# KiCad board IO-SDR_Rev_1.0.kicad_pcb (continued)
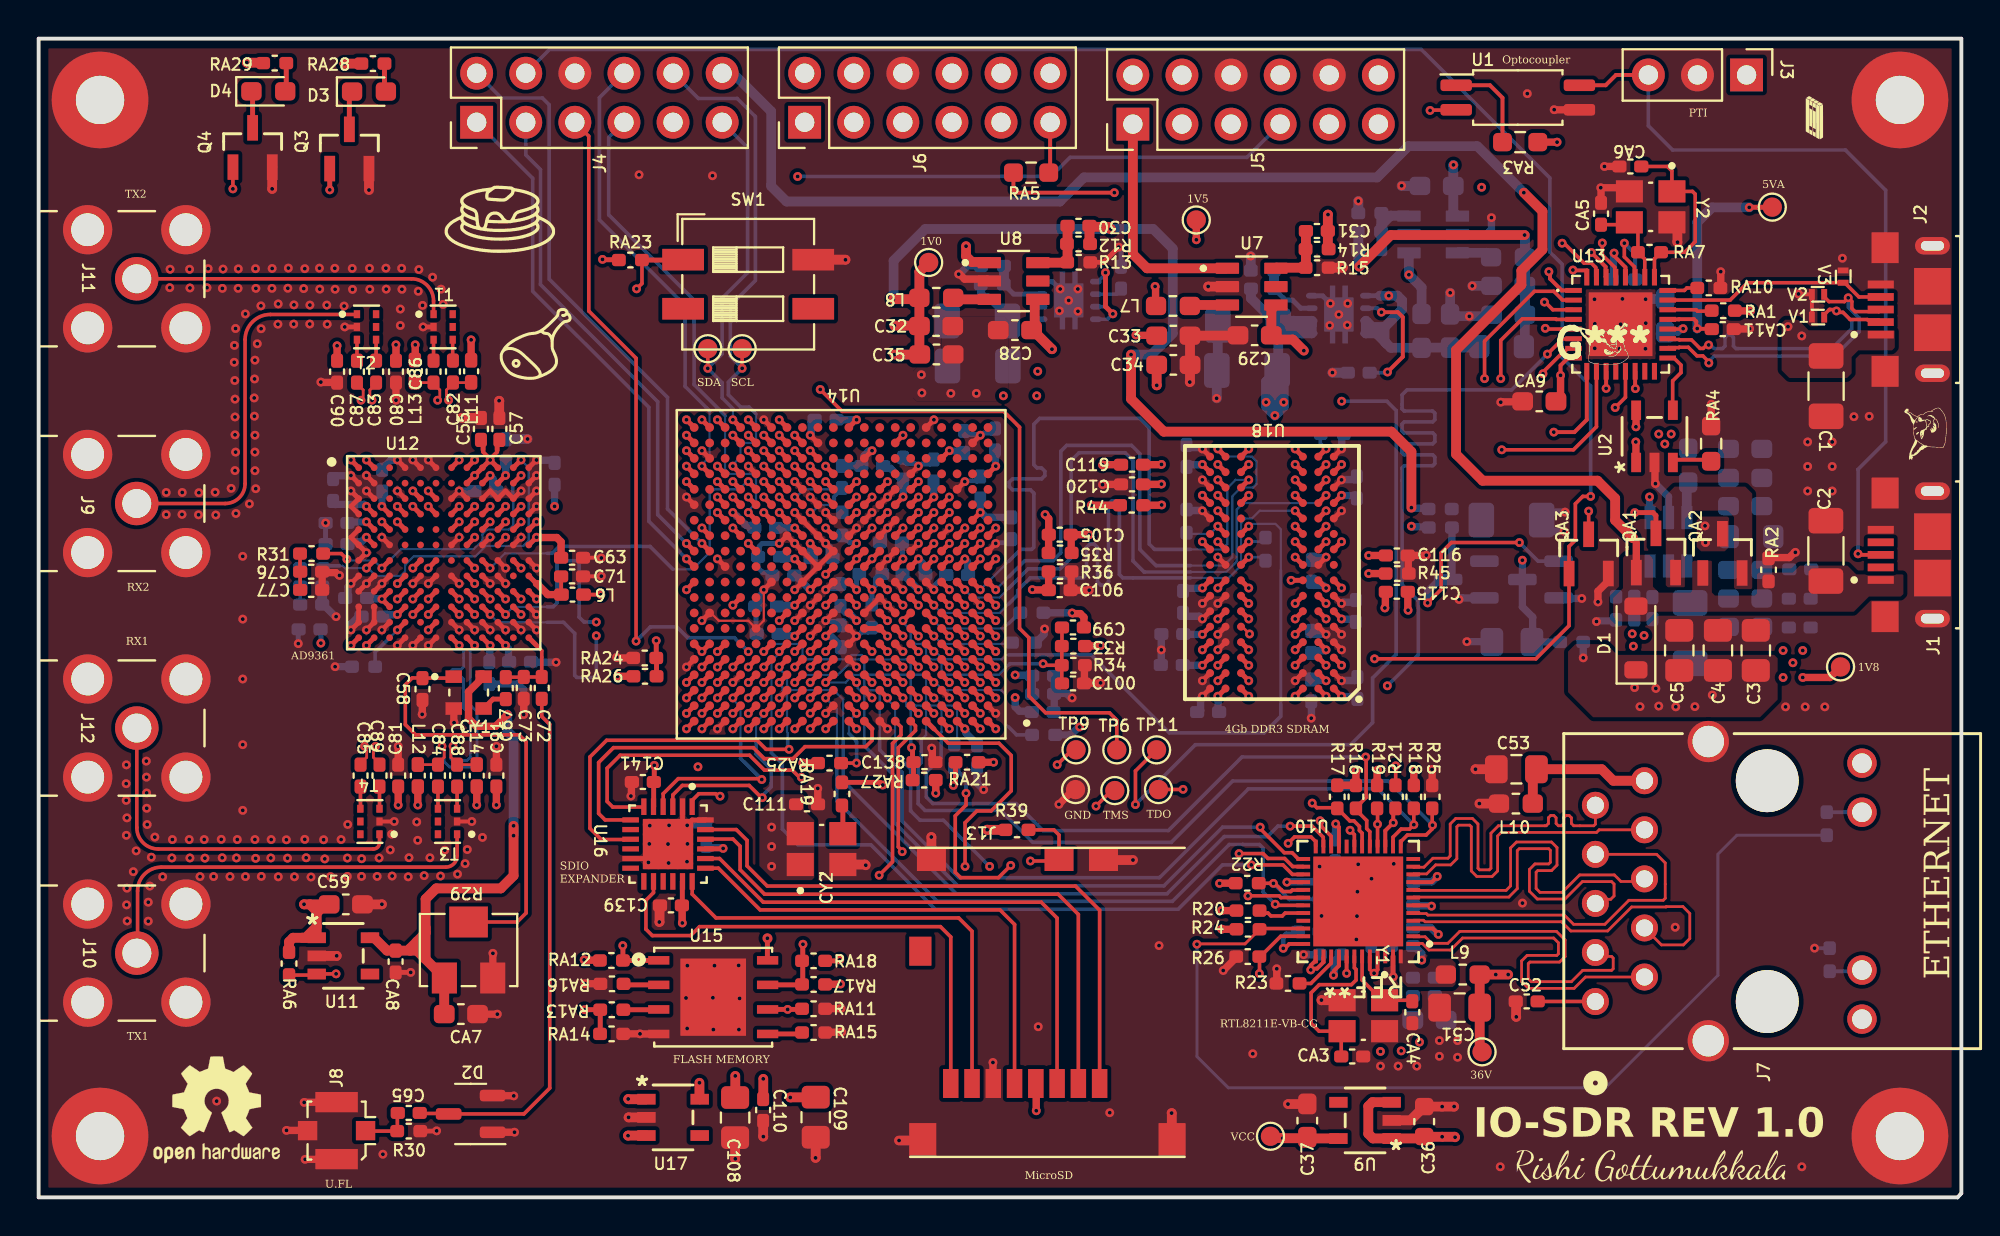
[diagram p0: board, top side]
## Placement (name value [footprint] x y rotation side) (continued)
RA8  14.3K  [R_0402_1005Metric_Pad0.72x0.64mm_HandSolder]  16.81 27.47 180 bottom
RA9  20K  [R_0402_1005Metric_Pad0.72x0.64mm_HandSolder]  81.99 47.51 180 bottom
RA10  8.06K  [R_0402_1005Metric_Pad0.72x0.64mm_HandSolder]  86.4 47.07 0 top
RA11  20K  [R_0402_1005Metric_Pad0.72x0.64mm_HandSolder]  40.09 9.76 0 top
RA12  1K  [R_0402_1005Metric_Pad0.72x0.64mm_HandSolder]  29.63 12.26 0 top
RA13  20K  [R_0402_1005Metric_Pad0.72x0.64mm_HandSolder]  29.65 9.71 180 top
RA14  1K  [R_0402_1005Metric_Pad0.72x0.64mm_HandSolder]  29.64 8.46 0 top
RA15  20K  [R_0402_1005Metric_Pad0.72x0.64mm_HandSolder]  40.09 8.53 0 top
RA16  20K  [R_0402_1005Metric_Pad0.72x0.64mm_HandSolder]  29.66 11.05 180 top
RA17  20K  [R_0402_1005Metric_Pad0.72x0.64mm_HandSolder]  40.09 11.02 180 top
RA18  1K  [R_0402_1005Metric_Pad0.72x0.64mm_HandSolder]  40.09 12.24 0 top
RA19  33R  [R_0402_1005Metric_Pad0.72x0.64mm_HandSolder]  41.55 20.88 270 top
RA20  33R  [R_0402_1005Metric_Pad0.72x0.64mm_HandSolder]  47.36 22.85 270 bottom
RA21  20K  [R_0402_1005Metric_Pad0.72x0.64mm_HandSolder]  48.03 22.52 0 top
RA22  20K  [R_0402_1005Metric_Pad0.72x0.64mm_HandSolder]  51.99 23.94 0 bottom
RA23  20K  [R_0402_1005Metric_Pad0.72x0.64mm_HandSolder]  30.61 48.52 0 top
RA24  100K  [R_0402_1005Metric_Pad0.72x0.64mm_HandSolder]  31.35 27.92 0 top
RA25  20K  [R_0402_1005Metric_Pad0.72x0.64mm_HandSolder]  40.91 22.48 180 top
RA26  100K  [R_0402_1005Metric_Pad0.72x0.64mm_HandSolder]  31.36 26.97 0 top
RA27  20K  [R_0402_1005Metric_Pad0.72x0.64mm_HandSolder]  45.81 21.6 180 top
RA28  4.7K  [R_0402_1005Metric_Pad0.72x0.64mm_HandSolder]  17.29 58.69 0 top
RA29  4.7K  [R_0402_1005Metric_Pad0.72x0.64mm_HandSolder]  12.21 58.71 0 top
REF**  -  [OSHW-Logo2_7.3x6mm_SilkScreen]  9.21 4.53 0 top
REF**#2  -  [OSHW-Logo2_7.3x6mm_SilkScreen]  9.21 4.53 180 bottom
REF**#3  -  [KiCad-Logo2_5mm_SilkScreen]  13.81 55.48 180 bottom
SW1  SW_DIP_x02  [SW_DIP_SPSTx02_Slide_6.7x6.64mm_W6.73mm_P2.54mm_LowProfile_JPin]  36.7 47.27 0 top
T1  -  [B0310J50100AHF]  20.92 45.06 0 top
T2  -  [B0310J50100AHF]  16.96 45.06 0 top
T3  -  [B0310J50100AHF]  21.15 19.46 180 top
T4  -  [B0310J50100AHF]  17.14 19.46 180 top
TP1  TestPoint  [TestPoint_Pad_D1.0mm]  89.68 51.26 0 top
TP2  TestPoint  [TestPoint_Pad_D1.0mm]  93.21 27.46 0 top
TP3  TestPoint  [TestPoint_Pad_D1.0mm]  46.04 48.39 0 top
TP4  TestPoint  [TestPoint_Pad_D1.0mm]  59.88 50.59 0 top
TP5  TestPoint  [TestPoint_Pad_D1.0mm]  53.64 21.11 0 top
TP6  TestPoint  [TestPoint_Pad_D1.0mm]  55.77 23.17 0 top
TP7  TestPoint  [TestPoint_Pad_D1.0mm]  55.67 21.06 0 top
TP8  TestPoint  [TestPoint_Pad_D1.0mm]  57.93 21.11 0 top
TP9  TestPoint  [TestPoint_Pad_D1.0mm]  53.66 23.17 0 top
TP10  TestPoint  [TestPoint_Pad_D1.0mm]  34.61 43.93 0 top
TP11  TestPoint  [TestPoint_Pad_D1.0mm]  57.83 23.17 0 top
TP12  TestPoint  [TestPoint_Pad_D1.0mm]  36.39 43.93 0 top
TP13  TestPoint  [TestPoint_Pad_D1.0mm]  63.72 3.16 180 top
TP14  TestPoint  [TestPoint_Pad_D1.0mm]  74.67 7.53 180 top
U1  TCMT1107  [SOP-4_4.4x2.6mm_P1.27mm]  76.52 56.93 0 top
U2  -  [SY6280AAC]  83.59 39.39 90 top
U3  -  [TCS4615]  72.14 49.84 180 bottom
U4  -  [TCS4615]  84.31 33.94 270 bottom
U5  -  [TPS7A8101DRBT]  67.26 45.7 0 bottom
U6  -  [TPS7A8101DRBT]  53.28 46.43 0 bottom
U7  -  [TCS4615]  62.75 47.14 0 top
U8  -  [TCS4615]  50.43 47.43 0 top
U9  -  [RT9193-33B]  68.62 3.98 180 top
U10  -  [RTL8211E-VB-CG]  68.26 15.32 180 top
U11  -  [RT9193-33B]  15.76 12.5 0 top
U12  -  [AD9361BBCZ]  20.95 33.37 0 top
U13  -  [USB3320C-EZK-TR]  81.84 45.2 0 top
U14  -  [XC7Z010-1CLG400I]  41.51 32.25 180 top
U15  -  [MX25U1635EZNI-10G]  34.89 10.36 0 top
U16  -  [TXS02612RTWR]  32.56 18.29 270 top
U17  -  [RT9193-33B]  32.82 4.14 0 top
U18  -  [H5TQ4G63AFR]  63.8 32.34 180 top
V1  -  [HR02X5V]  92.05 45.56 0 top
V2  -  [HR02X5V]  92.05 46.74 0 top
V3  -  [HR02X5V]  93.35 47.66 270 top
Y1  25MHz  [XTAL_TSX-3225_25.0000MF10P-C0]  68.53 9.4 270 top
Y2  25MHz  [XTAL_TSX-3225_25.0000MF10P-C0]  83.39 51.27 270 top

## Library data of the parts
C1 C36-C141 CA3-CA11 = -: Description: Unpolarized capacitor, small symbol
C2-C35 CA1 CA2 = -: Description: Unpolarized capacitor
CY1 = -: Description: 1.8-3.3V SMD Ultra Miniature Crystal Clock Oscillator, Abracon
CY2 = -: Description: 25 MHz ±20ppm Crystal 12pF 50 Ohms 4-SMD, No Lead; Availability: In Stock; Check_prices: https://www.snapeda.com/parts/ABM8AIG-25.000MHZ-12-2Z-T3/Abracon+LLC/view-part/?ref=eda; MANUFACTURER: Abracon; MAXIMUM_PACKAGE_HEIGHT: 0.8 mm; MF: Abracon LLC; MP: ABM8AIG-25.000MHZ-12-2Z-T3; PARTREV: 43629; Package: NON STANDARD Abracon; Price: None; Purchase-URL: https://www.snapeda.com/api/url_track_click_mouser/?unipart_id=2454486&manufacturer=Abracon LLC&part_name=ABM8AIG-25.000MHZ-12-2Z-T3&search_term=abm8aig-25.000mhz-12-2z-t; STANDARD: Manufacturer Recommendations; SnapEDA_Link: https://www.snapeda.com/parts/ABM8AIG-25.000MHZ-12-2Z-T3/Abracon+LLC/view-part/?ref=snap
D1 = -: Description: 20V 0.5A Schottky Power Rectifier Diode, SOD-123
D3 D4 = -: Description: Light emitting diode
H1-H4 = -: Description: Mounting Hole with connection
J1 J2 = -: MANUFACTURER: Amphenol FCI; MAXIMUM_PACKAGE_HEIGHT: 2.55 mm; PARTREV: E; STANDARD: Manufacturer Recommendations
J3 = -: Description: Generic shielded connector, single row, 01x03, script generated (kicad-library-utils/schlib/autogen/connector/)
J4-J6 = -: Description: Generic connector, double row, 02x06, counter clockwise pin numbering scheme (similar to DIP package numbering), script generated (kicad-library-utils/schlib/autogen/connector/)
J8 = -: Description: coaxial connector (BNC, SMA, SMB, SMC, Cinch/RCA, LEMO, ...)
J9-J12 = -: MANUFACTURER: Adam Tech; MAXIMUM_PACKAGE_HEIGHT: 10.45mm; PARTREV: 7/20/16; STANDARD: Manufacturer Recommendations
J13 = -: Description: Conn IC Socket SD Memory Cd Micro 1.10mm 8Cir Norm Mnt SMT Push-Push LF | Molex Incorporated 502570-0893; Availability: In Stock; Check_prices: https://www.snapeda.com/parts/502570-0893/Molex/view-part/?ref=eda; MF: Molex; Package: None; Price: None; Purchase-URL: https://www.snapeda.com/api/url_track_click_mouser/?unipart_id=225170&manufacturer=Molex&part_name=502570-0893&search_term=tf_sd_socket; SnapEDA_Link: https://www.snapeda.com/parts/502570-0893/Molex/view-part/?ref=snap
L1 L4 L7-L10 = -: Description: Inductor
L2 L3 L5 L6 L11-L14 = -: Description: Inductor with iron core
Q1 Q2 = -: Description: 15A Ic, 60V Vce, Power NPN Transistor, TO-3
R1-R28 R30-R48 RA1-RA29 = -: Description: Resistor, US symbol
R29 = -: Description: Potentiometer, US symbol
SW1 = -: Description: 2x DIP Switch, Single Pole Single Throw (SPST) switch, small symbol
T1-T4 = -: Description: RF Balun 300MHz ~ 1GHz 50 / 100Ohm 0805 (2012 Metric); Availability: In Stock; Check_prices: https://www.snapeda.com/parts/B0310J50100AHF/Anaren/view-part/?ref=eda; MANUFACTURER: Anaren; MF: Anaren; PARTREV: A; Package: None; Price: None; STANDARD: MANUFACTURER RECOMMENDATIONS; SnapEDA_Link: https://www.snapeda.com/parts/B0310J50100AHF/Anaren/view-part/?ref=snap
TP1-TP14 = -: Description: test point
U1 = -: Description: Optocoupler, Vce 70V, CTR 80-160%, Viso 3750V (RMS), SOP-4
U12 = -: Description: RF Agile Transceiver; Availability: In Stock; Check_prices: https://www.snapeda.com/parts/AD9361BBCZ/Analog+Devices/view-part/?ref=eda; MANUFACTURER: Analog Devices; MF: Analog Devices; Package: CSPBGA -144 Analog Devices; Price: None; Purchase-URL: https://www.snapeda.com/api/url_track_click_mouser/?unipart_id=214533&manufacturer=Analog Devices&part_name=AD9361BBCZ&search_term=ad9361bbcz; SnapEDA_Link: https://www.snapeda.com/parts/AD9361BBCZ/Analog+Devices/view-part/?ref=snap
U13 = -: Description: Microchip USB3320C-EZK-TR, USB Transceiver, USB 2.0, 1.8 V, 3.3 V, 32-Pin QFN | Microchip Technology Inc. USB3320C-EZK-TR; Availability: In Stock; Check_prices: https://www.snapeda.com/parts/USB3320C-EZK-TR/Microchip/view-part/?ref=eda; MANUFACTURER: MICROCHIP; MF: Microchip; Package: QFN-32 Microchip; Price: None; Purchase-URL: https://www.snapeda.com/api/url_track_click_mouser/?unipart_id=562377&manufacturer=Microchip&part_name=USB3320C-EZK-TR&search_term=usb3320c-ezk-tr; SNAPEDA_PACKAGE_ID: 29698; STANDARD: IPC-7351B; SnapEDA_Link: https://www.snapeda.com/parts/USB3320C-EZK-TR/Microchip/view-part/?ref=snap
U16 = -: Description: SDIO Port Expander With Voltage-Level Translation; Availability: In Stock; Check_prices: https://www.snapeda.com/parts/TXS02612RTWR/Texas+Instruments/view-part/?ref=eda; MANUFACTURER: Texas Instruments; MAXIMUM_PACKAGE_HEIGHT: 0.8mm; MF: Texas Instruments; PARTREV: 4219135/B 11/2016; Package: WQFN-24 Texas Instruments; Price: None; Purchase-URL: https://www.snapeda.com/api/url_track_click_mouser/?unipart_id=422836&manufacturer=Texas Instruments&part_name=TXS02612RTWR&search_term=txs02612rtwr; STANDARD: IPC-7351B; SnapEDA_Link: https://www.snapeda.com/parts/TXS02612RTWR/Texas+Instruments/view-part/?ref=snap
Y1 = -: MANUFACTURER: EPSON; MAXIMUM_PACKAGE_HEIGHT: 0.6 mm; MPN: TSX-3225_25.0000MF10P-C0; PARTREV: N/A; STANDARD: Manufacturer Recommendations
Y2 = -: Description: 25 MHz ±10ppm Crystal 18pF 40 Ohms 4-SMD, No Lead; Availability: In Stock; Check_prices: https://www.snapeda.com/parts/TSX-3225%2025.0000MF10P-C0/EPSON/view-part/?ref=eda; MANUFACTURER: EPSON; MAXIMUM_PACKAGE_HEIGHT: 0.6 mm; MF: EPSON; MP: TSX-3225 25.0000MF10P-C0; PARTREV: N/A; Package: NON STANDARD-4 EPSON; Price: None; Purchase-URL: https://www.snapeda.com/api/url_track_click_mouser/?unipart_id=3217618&manufacturer=EPSON&part_name=TSX-3225 25.0000MF10P-C0&search_term=	25 mhz ±10ppm crystal 18pf 40 ohms 4-smd; STANDARD: Manufacturer Recommendations; SnapEDA_Link: https://www.snapeda.com/parts/TSX-3225%2025.0000MF10P-C0/EPSON/view-part/?ref=snap

## Footprints (pads in the part's own frame, mm; a bottom-side part is the same pattern mirrored in y, then rotated)
AD9361BBCZ
  round 0.35 smd: A1(-4.4,4.4) A2(-3.6,4.4) A3(-2.8,4.4) A4(-2,4.4) A5(-1.2,4.4) A6(-0.4,4.4) A7(0.4,4.4) A8(1.2,4.4) A9(2,4.4) A10(2.8,4.4) A11(3.6,4.4) A12(4.4,4.4) B1(-4.4,3.6) B2(-3.6,3.6) B3(-2.8,3.6) B4(-2,3.6) B5(-1.2,3.6) B6(-0.4,3.6) B7(0.4,3.6) B8(1.2,3.6) B9(2,3.6) B10(2.8,3.6) B11(3.6,3.6) B12(4.4,3.6) C1(-4.4,2.8) C2(-3.6,2.8) C3(-2.8,2.8) C4(-2,2.8) C5(-1.2,2.8) C6(-0.4,2.8) C7(0.4,2.8) C8(1.2,2.8) C9(2,2.8) C10(2.8,2.8) C11(3.6,2.8) C12(4.4,2.8) D1(-4.4,2) D2(-3.6,2) D3(-2.8,2) D4(-2,2) D5(-1.2,2) D6(-0.4,2) D7(0.4,2) D8(1.2,2) D9(2,2) D10(2.8,2) D11(3.6,2) D12(4.4,2) E1(-4.4,1.2) E2(-3.6,1.2) E3(-2.8,1.2) E4(-2,1.2) E5(-1.2,1.2) E6(-0.4,1.2) E7(0.4,1.2) E8(1.2,1.2) E9(2,1.2) E10(2.8,1.2) E11(3.6,1.2) E12(4.4,1.2) F1(-4.4,0.4) F2(-3.6,0.4) F3(-2.8,0.4) F4(-2,0.4) F5(-1.2,0.4) F6(-0.4,0.4) F7(0.4,0.4) F8(1.2,0.4) F9(2,0.4) F10(2.8,0.4) F11(3.6,0.4) F12(4.4,0.4) G1(-4.4,-0.4) G2(-3.6,-0.4) G3(-2.8,-0.4) G4(-2,-0.4) G5(-1.2,-0.4) G6(-0.4,-0.4) G7(0.4,-0.4) G8(1.2,-0.4) G9(2,-0.4) G10(2.8,-0.4) G11(3.6,-0.4) G12(4.4,-0.4) H1(-4.4,-1.2) H2(-3.6,-1.2) H3(-2.8,-1.2) H4(-2,-1.2) H5(-1.2,-1.2) H6(-0.4,-1.2) H7(0.4,-1.2) H8(1.2,-1.2) H9(2,-1.2) H10(2.8,-1.2) H11(3.6,-1.2) H12(4.4,-1.2) J1(-4.4,-2) J2(-3.6,-2) J3(-2.8,-2) J4(-2,-2) J5(-1.2,-2) J6(-0.4,-2) J7(0.4,-2) J8(1.2,-2) J9(2,-2) J10(2.8,-2) J11(3.6,-2) J12(4.4,-2) K1(-4.4,-2.8) K2(-3.6,-2.8) K3(-2.8,-2.8) K4(-2,-2.8) K5(-1.2,-2.8) K6(-0.4,-2.8) K7(0.4,-2.8) K8(1.2,-2.8) K9(2,-2.8) K10(2.8,-2.8) K11(3.6,-2.8) K12(4.4,-2.8) L1(-4.4,-3.6) L2(-3.6,-3.6) L3(-2.8,-3.6) L4(-2,-3.6) L5(-1.2,-3.6) L6(-0.4,-3.6) L7(0.4,-3.6) L8(1.2,-3.6) L9(2,-3.6) L10(2.8,-3.6) L11(3.6,-3.6) L12(4.4,-3.6) M1(-4.4,-4.4) M2(-3.6,-4.4) M3(-2.8,-4.4) M4(-2,-4.4) M5(-1.2,-4.4) M6(-0.4,-4.4) M7(0.4,-4.4) M8(1.2,-4.4) M9(2,-4.4) M10(2.8,-4.4) M11(3.6,-4.4) M12(4.4,-4.4)
ADAMTECH_RF2-49B-T-00-50-G-HDW
  round 2.25 hole 1.5: 1(0,0)
  round 2.55 hole 1.7: SH1(-2.54,2.54) SH2(2.54,2.54) SH3(2.54,-2.54) SH4(-2.54,-2.54)
AMPHENOL_10118193-0001LF
  rect 0.4x1.35 smd: 1(-1.3,2.675) 2(-0.65,2.675) 3(0,2.675) 4(0.65,2.675) 5(1.3,2.675)
  rect 1.6x1.4 smd: S1(-3.2,2.45) S2(3.2,2.45)
  rect 1.9x1.9 smd: S3(1.2,0) S4(-1.2,0)
  oval 0.9x1.8 hole 0.5x1.2: S5(-3.3,0) S6(3.3,0)
B0310J50100AHF
  rect 0.33x0.41 smd: 1(-0.495,0.66) 2(-0.495,0) 3(-0.495,-0.66) 4(0.495,-0.66) 5(0.495,0) 6(0.495,0.66)
C_0402_1005Metric_Pad0.74x0.62mm_HandSolder
  rrect 0.735x0.62 smd: 1(-0.568,0) 2(0.568,0)
C_0603_1608Metric
  rrect 0.9x0.95 smd: 1(-0.775,0) 2(0.775,0)
C_0603_1608Metric_Pad1.08x0.95mm_HandSolder
  rrect 1.075x0.95 smd: 1(-0.863,0) 2(0.863,0)
C_0805_2012Metric_Pad1.18x1.45mm_HandSolder
  rrect 1.175x1.45 smd: 1(-1.038,0) 2(1.038,0)
C_1206_3216Metric_Pad1.33x1.80mm_HandSolder
  rrect 1.325x1.8 smd: 1(-1.562,0) 2(1.562,0)
D_SOD-123
  rrect 0.9x1.2 smd: 1(-1.65,0) 2(1.65,0)
H5TQ4G63AFR
  round 0.41 smd: A1(-3.2,6) A2(-2.4,6) A3(-1.6,6) A7(1.6,6) A8(2.4,6) A9(3.2,6) B1(-3.2,5.2) B2(-2.4,5.2) B3(-1.6,5.2) B7(1.6,5.2) B8(2.4,5.2) B9(3.2,5.2) C1(-3.2,4.4) C2(-2.4,4.4) C3(-1.6,4.4) C7(1.6,4.4) C8(2.4,4.4) C9(3.2,4.4) D1(-3.2,3.6) D2(-2.4,3.6) D3(-1.6,3.6) D7(1.6,3.6) D8(2.4,3.6) D9(3.2,3.6) E1(-3.2,2.8) E2(-2.4,2.8) E3(-1.6,2.8) E7(1.6,2.8) E8(2.4,2.8) E9(3.2,2.8) F1(-3.2,2) F2(-2.4,2) F3(-1.6,2) F7(1.6,2) F8(2.4,2) F9(3.2,2) G1(-3.2,1.2) G2(-2.4,1.2) G3(-1.6,1.2) G7(1.6,1.2) G8(2.4,1.2) G9(3.2,1.2) H1(-3.2,0.4) H2(-2.4,0.4) H3(-1.6,0.4) H7(1.6,0.4) H8(2.4,0.4) H9(3.2,0.4) J1(-3.2,-0.4) J2(-2.4,-0.4) J3(-1.6,-0.4) J7(1.6,-0.4) J8(2.4,-0.4) J9(3.2,-0.4) K1(-3.2,-1.2) K2(-2.4,-1.2) K3(-1.6,-1.2) K7(1.6,-1.2) K8(2.4,-1.2) K9(3.2,-1.2) L1(-3.2,-2) L2(-2.4,-2) L3(-1.6,-2) L7(1.6,-2) L8(2.4,-2) L9(3.2,-2) M1(-3.2,-2.8) M2(-2.4,-2.8) M3(-1.6,-2.8) M7(1.6,-2.8) M8(2.4,-2.8) M9(3.2,-2.8) N1(-3.2,-3.6) N2(-2.4,-3.6) N3(-1.6,-3.6) N7(1.6,-3.6) N8(2.4,-3.6) N9(3.2,-3.6) P1(-3.2,-4.4) P2(-2.4,-4.4) P3(-1.6,-4.4) P7(1.6,-4.4) P8(2.4,-4.4) P9(3.2,-4.4) R1(-3.2,-5.2) R2(-2.4,-5.2) R3(-1.6,-5.2) R7(1.6,-5.2) R8(2.4,-5.2) R9(3.2,-5.2) T1(-3.2,-6) T2(-2.4,-6) T3(-1.6,-6) T7(1.6,-6) T8(2.4,-6) T9(3.2,-6)
HR02X5V
  rect 0.305x0.559 smd: 1(-0.318,0) 2(0.318,0)
HR8031GS6
  rect 1.321x0.559 smd: 1(-1.016,1.016) 2(-1.016,-1.016) 3(1.016,0)
HR911130A_HAN
  round 3.251 hole 3.251 unplated: (0,-8.89) (11.43,-8.89)
  round 1.397 hole 0.889: 1(0,0) 2(1.27,-2.54) 3(2.54,0) 4(3.81,-2.54) 5(5.08,0) 6(6.35,-2.54) 7(7.62,0) 8(8.89,-2.54) 9(10.16,0) 10(11.43,-2.54)
  round 1.524 hole 1.016: 11(-0.91,-13.79) 12(1.63,-13.79) 13(9.8,-13.79) 14(12.34,-13.79)
  round 2.134 hole 1.626: 15(-2.03,-5.84) 16(13.46,-5.84)
L_0402_1005Metric_Pad0.77x0.64mm_HandSolder
  rrect 0.765x0.64 smd: 1(-0.573,0) 2(0.573,0)
L_0603_1608Metric_Pad1.05x0.95mm_HandSolder
  rrect 1.05x0.95 smd: 1(-0.875,0) 2(0.875,0)
L_0805_2012Metric_Pad1.05x1.20mm_HandSolder
  rrect 1.05x1.2 smd: 1(-1.15,0) 2(1.15,0)
LED_0603_1608Metric_Pad1.05x0.95mm_HandSolder
  rrect 1.05x0.95 smd: 1(-0.875,0) 2(0.875,0)
MOLEX_502570-0893
  rect 0.8x1.5 smd: 1(-2.7,4.2) 2(-1.6,4.2) 3(-0.5,4.2) 4(0.6,4.2) 5(1.7,4.2) 6(2.8,4.2) 7(3.9,4.2) 8(5,4.2)
  rect 1.15x1.5 smd: DL(6.575,-2.65)
  rect 1.5x1.15 smd: DS(-0.6,-7.375) S3(-2.9,-7.375) S4(6,-7.375)
  rect 1.4x1.7 smd: S1(-6.45,7.1) S2(6.45,7.1)
MountingHole_2.5mm_Pad
  round 5 hole 2.5: 1(0,0)
MX25U1635EZNI-10G
  rect 1.1x0.44 smd: 1(-2.815,1.905) 2(-2.815,0.635) 3(-2.815,-0.635) 4(-2.815,-1.905) 5(2.815,-1.905) 6(2.815,-0.635) 7(2.815,0.635) 8(2.815,1.905)
  rect 3.4x4 smd: 9(0,0)
PinHeader_1x03_P2.54mm_Vertical
  rect 1.7x1.7 hole 1: 1(0,0)
  oval 1.7x1.7 hole 1: 2(0,-2.54) 3(0,-5.08)
PinHeader_2x06_P2.54mm_Vertical
  rect 1.7x1.7 hole 1: 1(0,0)
  oval 1.7x1.7 hole 1: 2(2.54,0) 3(0,-2.54) 4(2.54,-2.54) 5(0,-5.08) 6(2.54,-5.08) 7(0,-7.62) 8(2.54,-7.62) 9(0,-10.16) 10(2.54,-10.16) 11(0,-12.7) 12(2.54,-12.7)
Potentiometer_Bourns_3214W_Vertical
  rect 1.3x1.6 smd: 1(1.25,1.45) 3(-1.25,1.45)
  rect 2x1.6 smd: 2(0,-1.45)
R_0402_1005Metric_Pad0.72x0.64mm_HandSolder
  rrect 0.715x0.64 smd: 1(-0.598,0) 2(0.598,0)
R_0603_1608Metric_Pad0.98x0.95mm_HandSolder
  rrect 0.975x0.95 smd: 1(-0.912,0) 2(0.912,0)
RT9193-33B
  rect 0.953x0.559 smd: 1(-1.378,0.94) 2(-1.378,0) 3(-1.378,-0.94) 4(1.378,-0.94) 5(1.378,0.94)
RTL8211E-VB-CG
  rect 0.711x0.203 smd: 1(-2.845,2.2) 2(-2.845,1.8) 3(-2.845,1.4) 4(-2.845,1) 5(-2.845,0.6) 6(-2.845,0.2) 7(-2.845,-0.2) 8(-2.845,-0.6) 9(-2.845,-1) 10(-2.845,-1.4) 11(-2.845,-1.8) 12(-2.845,-2.2) 25(2.845,-2.2) 26(2.845,-1.8) 27(2.845,-1.4) 28(2.845,-1) 29(2.845,-0.6) 30(2.845,-0.2) 31(2.845,0.2) 32(2.845,0.6) 33(2.845,1) 34(2.845,1.4) 35(2.845,1.8) 36(2.845,2.2)
  rect 0.203x0.711 smd: 13(-2.2,-2.845) 14(-1.8,-2.845) 15(-1.4,-2.845) 16(-1,-2.845) 17(-0.6,-2.845) 18(-0.2,-2.845) 19(0.2,-2.845) 20(0.6,-2.845) 21(1,-2.845) 22(1.4,-2.845) 23(1.8,-2.845) 24(2.2,-2.845) 37(2.2,2.845) 38(1.8,2.845) 39(1.4,2.845) 40(1,2.845) 41(0.6,2.845) 42(0.2,2.845) 43(-0.2,2.845) 44(-0.6,2.845) 45(-1,2.845) 46(-1.4,2.845) 47(-1.8,2.845) 48(-2.2,2.845)
  rect 4.648x4.648 smd: 49(0,0)
SOP-4_4.4x2.6mm_P1.27mm
  rrect 1.625x0.6 smd: 1(-3.188,0.635) 2(-3.188,-0.635) 3(3.188,-0.635) 4(3.188,0.635)
SOT23 MOSFET FOOT PRINT
  rect 1.321x0.559 smd: 1(-1.016,1.016) 2(-1.016,-1.016) 3(1.016,0)
SOT-23
  rrect 1.475x0.6 smd: 1(-0.938,0.95) 2(-0.938,-0.95) 3(0.938,0)
SOT-23-3
  rrect 1.325x0.6 smd: 1(-1.137,0.95) 2(-1.137,-0.95) 3(1.137,0)
SW_DIP_SPSTx02_Slide_6.7x6.64mm_W6.73mm_P2.54mm_LowProfile_JPin
  rect 2.16x1.12 smd: 1(-3.365,1.27) 2(-3.365,-1.27) 3(3.365,-1.27) 4(3.365,1.27)
SY6280AAC
  rect 1.003x0.508 smd: 1(-1.353,0.95) 2(-1.353,0) 3(-1.353,-0.95) 4(1.353,-0.95) 5(1.353,0.95)
TCS4615
  rrect 1.21x0.58 smd: 1(-1.255,0.95) 2(-1.255,0) 3(-1.255,-0.95) 4(1.255,-0.95) 5(1.255,0) 6(1.255,0.95)
TestPoint_Pad_D1.0mm
  round 1 smd: 1(0,0)
TPS7A8101DRBT
  oval 0.6x0.3 smd: 1(-1.4,0.975) 2(-1.4,0.325) 3(-1.4,-0.325) 4(-1.4,-0.975) 5(1.4,-0.975) 6(1.4,-0.325) 7(1.4,0.325) 8(1.4,0.975)
  rect 1.5x1.75 smd: 9(0,0)
TXS02612RTWR
  rrect 0.86x0.27 smd: 1(-1.935,1.25) 2(-1.935,0.75) 3(-1.935,0.25) 4(-1.935,-0.25) 5(-1.935,-0.75) 6(-1.935,-1.25) 13(1.935,-1.25) 14(1.935,-0.75) 15(1.935,-0.25) 16(1.935,0.25) 17(1.935,0.75) 18(1.935,1.25)
  rrect 0.27x0.86 smd: 7(-1.25,-1.935) 8(-0.75,-1.935) 9(-0.25,-1.935) 10(0.25,-1.935) 11(0.75,-1.935) 12(1.25,-1.935) 19(1.25,1.935) 20(0.75,1.935) 21(0.25,1.935) 22(-0.25,1.935) 23(-0.75,1.935) 24(-1.25,1.935)
  rect 2.6x2.6 smd: 25(0,0)
U.FL_Molex_MCRF_73412-0110_Vertical
  rect 1x1 smd: 1(0,-1.5) 2(0,1.5)
  rect 1.05x2.2 smd: 2(-1.475,0) 2(1.475,0)
USB3320C-EZK-TR
  rrect 0.86x0.26 smd: 1(-2.435,1.75) 2(-2.435,1.25) 3(-2.435,0.75) 4(-2.435,0.25) 5(-2.435,-0.25) 6(-2.435,-0.75) 7(-2.435,-1.25) 8(-2.435,-1.75) 17(2.435,-1.75) 18(2.435,-1.25) 19(2.435,-0.75) 20(2.435,-0.25) 21(2.435,0.25) 22(2.435,0.75) 23(2.435,1.25) 24(2.435,1.75)
  rrect 0.26x0.86 smd: 9(-1.75,-2.435) 10(-1.25,-2.435) 11(-0.75,-2.435) 12(-0.25,-2.435) 13(0.25,-2.435) 14(0.75,-2.435) 15(1.25,-2.435) 16(1.75,-2.435) 25(1.75,2.435) 26(1.25,2.435) 27(0.75,2.435) 28(0.25,2.435) 29(-0.25,2.435) 30(-0.75,2.435) 31(-1.25,2.435) 32(-1.75,2.435)
  rect 3.3x3.3 smd: 33(0,0)
XC7Z010-1CLG400I
  round 0.45 smd: A1(-7.6,7.6) A2(-6.8,7.6) A3(-6,7.6) A4(-5.2,7.6) A5(-4.4,7.6) A6(-3.6,7.6) A7(-2.8,7.6) A8(-2,7.6) A9(-1.2,7.6) A10(-0.4,7.6) A11(0.4,7.6) A12(1.2,7.6) A13(2,7.6) A14(2.8,7.6) A15(3.6,7.6) A16(4.4,7.6) A17(5.2,7.6) A18(6,7.6) A19(6.8,7.6) A20(7.6,7.6) B1(-7.6,6.8) B2(-6.8,6.8) B3(-6,6.8) B4(-5.2,6.8) B5(-4.4,6.8) B6(-3.6,6.8) B7(-2.8,6.8) B8(-2,6.8) B9(-1.2,6.8) B10(-0.4,6.8) B11(0.4,6.8) B12(1.2,6.8) B13(2,6.8) B14(2.8,6.8) B15(3.6,6.8) B16(4.4,6.8) B17(5.2,6.8) B18(6,6.8) B19(6.8,6.8) B20(7.6,6.8) C1(-7.6,6) C2(-6.8,6) C3(-6,6) C4(-5.2,6) C5(-4.4,6) C6(-3.6,6) C7(-2.8,6) C8(-2,6) C9(-1.2,6) C10(-0.4,6) C11(0.4,6) C12(1.2,6) C13(2,6) C14(2.8,6) C15(3.6,6) C16(4.4,6) C17(5.2,6) C18(6,6) C19(6.8,6) C20(7.6,6) D1(-7.6,5.2) D2(-6.8,5.2) D3(-6,5.2) D4(-5.2,5.2) D5(-4.4,5.2) D6(-3.6,5.2) D7(-2.8,5.2) D8(-2,5.2) D9(-1.2,5.2) D10(-0.4,5.2) D11(0.4,5.2) D12(1.2,5.2) D13(2,5.2) D14(2.8,5.2) D15(3.6,5.2) D16(4.4,5.2) D17(5.2,5.2) D18(6,5.2) D19(6.8,5.2) D20(7.6,5.2) E1(-7.6,4.4) E2(-6.8,4.4) E3(-6,4.4) E4(-5.2,4.4) E5(-4.4,4.4) E6(-3.6,4.4) E7(-2.8,4.4) E8(-2,4.4) E9(-1.2,4.4) E10(-0.4,4.4) E11(0.4,4.4) E12(1.2,4.4) E13(2,4.4) E14(2.8,4.4) E15(3.6,4.4) E16(4.4,4.4) E17(5.2,4.4) E18(6,4.4) E19(6.8,4.4) E20(7.6,4.4) F1(-7.6,3.6) F2(-6.8,3.6) F3(-6,3.6) F4(-5.2,3.6) F5(-4.4,3.6) F6(-3.6,3.6) F7(-2.8,3.6) F8(-2,3.6) F9(-1.2,3.6) F10(-0.4,3.6) F11(0.4,3.6) F12(1.2,3.6) F13(2,3.6) F14(2.8,3.6) F15(3.6,3.6) F16(4.4,3.6) F17(5.2,3.6) F18(6,3.6) F19(6.8,3.6) F20(7.6,3.6) G1(-7.6,2.8) G2(-6.8,2.8) G3(-6,2.8) G4(-5.2,2.8) G5(-4.4,2.8) G6(-3.6,2.8) G7(-2.8,2.8) G8(-2,2.8) G9(-1.2,2.8) G10(-0.4,2.8) G11(0.4,2.8) G12(1.2,2.8) G13(2,2.8) G14(2.8,2.8) G15(3.6,2.8) G16(4.4,2.8) G17(5.2,2.8) G18(6,2.8) G19(6.8,2.8) G20(7.6,2.8) H1(-7.6,2) H2(-6.8,2) H3(-6,2) H4(-5.2,2) H5(-4.4,2) H6(-3.6,2) H7(-2.8,2) H8(-2,2) H9(-1.2,2) H10(-0.4,2) H11(0.4,2) H12(1.2,2) H13(2,2) H14(2.8,2) H15(3.6,2) H16(4.4,2) H17(5.2,2) H18(6,2) H19(6.8,2) H20(7.6,2) J1(-7.6,1.2) J2(-6.8,1.2) J3(-6,1.2) J4(-5.2,1.2) J5(-4.4,1.2) J6(-3.6,1.2) J7(-2.8,1.2) J8(-2,1.2) J9(-1.2,1.2) J10(-0.4,1.2) J11(0.4,1.2) J12(1.2,1.2) J13(2,1.2) J14(2.8,1.2) J15(3.6,1.2) J16(4.4,1.2) J17(5.2,1.2) J18(6,1.2) J19(6.8,1.2) J20(7.6,1.2) K1(-7.6,0.4) K2(-6.8,0.4) K3(-6,0.4) K4(-5.2,0.4) K5(-4.4,0.4) K6(-3.6,0.4) K7(-2.8,0.4) K8(-2,0.4) K9(-1.2,0.4) K10(-0.4,0.4) K11(0.4,0.4) K12(1.2,0.4) K13(2,0.4) K14(2.8,0.4) K15(3.6,0.4) K16(4.4,0.4) K17(5.2,0.4) K18(6,0.4) K19(6.8,0.4) K20(7.6,0.4) L1(-7.6,-0.4) L2(-6.8,-0.4) L3(-6,-0.4) L4(-5.2,-0.4) L5(-4.4,-0.4) L6(-3.6,-0.4) L7(-2.8,-0.4) L8(-2,-0.4) L9(-1.2,-0.4) L10(-0.4,-0.4) L11(0.4,-0.4) L12(1.2,-0.4) L13(2,-0.4) L14(2.8,-0.4) L15(3.6,-0.4) L16(4.4,-0.4) L17(5.2,-0.4) L18(6,-0.4) L19(6.8,-0.4) L20(7.6,-0.4) M1(-7.6,-1.2) M2(-6.8,-1.2) M3(-6,-1.2) M4(-5.2,-1.2) M5(-4.4,-1.2) M6(-3.6,-1.2) M7(-2.8,-1.2) M8(-2,-1.2) M9(-1.2,-1.2) M10(-0.4,-1.2) M11(0.4,-1.2) M12(1.2,-1.2) M13(2,-1.2) M14(2.8,-1.2) M15(3.6,-1.2) M16(4.4,-1.2) M17(5.2,-1.2) M18(6,-1.2) M19(6.8,-1.2) M20(7.6,-1.2) N1(-7.6,-2) N2(-6.8,-2) N3(-6,-2) N4(-5.2,-2) N5(-4.4,-2) N6(-3.6,-2) N7(-2.8,-2) N8(-2,-2) N9(-1.2,-2) N10(-0.4,-2) N11(0.4,-2) N12(1.2,-2) N13(2,-2) N14(2.8,-2) N15(3.6,-2) N16(4.4,-2) N17(5.2,-2) N18(6,-2) N19(6.8,-2) N20(7.6,-2) P1(-7.6,-2.8) P2(-6.8,-2.8) P3(-6,-2.8) P4(-5.2,-2.8) P5(-4.4,-2.8) P6(-3.6,-2.8) P7(-2.8,-2.8) P8(-2,-2.8) P9(-1.2,-2.8) P10(-0.4,-2.8) P11(0.4,-2.8) P12(1.2,-2.8) P13(2,-2.8) P14(2.8,-2.8) P15(3.6,-2.8) P16(4.4,-2.8) P17(5.2,-2.8) P18(6,-2.8) P19(6.8,-2.8) P20(7.6,-2.8) R1(-7.6,-3.6) R2(-6.8,-3.6) R3(-6,-3.6) R4(-5.2,-3.6) R5(-4.4,-3.6) R6(-3.6,-3.6) R7(-2.8,-3.6) R8(-2,-3.6) R9(-1.2,-3.6) R10(-0.4,-3.6) R11(0.4,-3.6) R12(1.2,-3.6) R13(2,-3.6) R14(2.8,-3.6) R15(3.6,-3.6) R16(4.4,-3.6) R17(5.2,-3.6) R18(6,-3.6) R19(6.8,-3.6) R20(7.6,-3.6) T1(-7.6,-4.4) T2(-6.8,-4.4) T3(-6,-4.4) T4(-5.2,-4.4) T5(-4.4,-4.4) T6(-3.6,-4.4) T7(-2.8,-4.4) T8(-2,-4.4) T9(-1.2,-4.4) T10(-0.4,-4.4) T11(0.4,-4.4) T12(1.2,-4.4) T13(2,-4.4) T14(2.8,-4.4) T15(3.6,-4.4) T16(4.4,-4.4) T17(5.2,-4.4) T18(6,-4.4) T19(6.8,-4.4) T20(7.6,-4.4) U1(-7.6,-5.2) U2(-6.8,-5.2) U3(-6,-5.2) U4(-5.2,-5.2) U5(-4.4,-5.2) U6(-3.6,-5.2) U7(-2.8,-5.2) U8(-2,-5.2) U9(-1.2,-5.2) U10(-0.4,-5.2) U11(0.4,-5.2) U12(1.2,-5.2) U13(2,-5.2) U14(2.8,-5.2) U15(3.6,-5.2) U16(4.4,-5.2) U17(5.2,-5.2) U18(6,-5.2) U19(6.8,-5.2) U20(7.6,-5.2) V1(-7.6,-6) V2(-6.8,-6) V3(-6,-6) V4(-5.2,-6) V5(-4.4,-6) V6(-3.6,-6) V7(-2.8,-6) V8(-2,-6) V9(-1.2,-6) V10(-0.4,-6) V11(0.4,-6) V12(1.2,-6) V13(2,-6) V14(2.8,-6) V15(3.6,-6) V16(4.4,-6) V17(5.2,-6) V18(6,-6) V19(6.8,-6) V20(7.6,-6) W1(-7.6,-6.8) W2(-6.8,-6.8) W3(-6,-6.8) W4(-5.2,-6.8) W5(-4.4,-6.8) W6(-3.6,-6.8) W7(-2.8,-6.8) W8(-2,-6.8) W9(-1.2,-6.8) W10(-0.4,-6.8) W11(0.4,-6.8) W12(1.2,-6.8) W13(2,-6.8) W14(2.8,-6.8) W15(3.6,-6.8) W16(4.4,-6.8) W17(5.2,-6.8) W18(6,-6.8) W19(6.8,-6.8) W20(7.6,-6.8) Y1(-7.6,-7.6) Y2(-6.8,-7.6) Y3(-6,-7.6) Y4(-5.2,-7.6) Y5(-4.4,-7.6) Y6(-3.6,-7.6) Y7(-2.8,-7.6) Y8(-2,-7.6) Y9(-1.2,-7.6) Y10(-0.4,-7.6) Y11(0.4,-7.6) Y12(1.2,-7.6) Y13(2,-7.6) Y14(2.8,-7.6) Y15(3.6,-7.6) Y16(4.4,-7.6) Y17(5.2,-7.6) Y18(6,-7.6) Y19(6.8,-7.6) Y20(7.6,-7.6)
XTAL_ABM8AIG-25.000MHZ-12-2Z-T3
  rect 1.2x1.4 smd: 1(-0.8,1.1) 2(-0.8,-1.1) 3(0.8,-1.1) 4(0.8,1.1)
XTAL_ASDMB-33.333MHZ-LC-T
  rect 0.85x0.65 smd: 1(-0.775,0.825) 2(-0.775,-0.825) 3(0.775,-0.825) 4(0.775,0.825)
XTAL_TSX-3225_25.0000MF10P-C0
  rect 1.15x1.4 smd: 1(-0.8,1.1) 2(-0.8,-1.1) 3(0.8,-1.1) 4(0.8,1.1)

## Nets
+1V0: C30.1 C32.1 C35.1 C92.1 C93.1 C94.1 C95.1 C96.1 C97.1 C98.1 C101.1 C102.1 C103.1 C104.1 C107.1 L8.2 R1.1 R12.1 TP3.1 U14.G7 U14.G11 U14.G13 U14.H10 U14.H12 U14.J7 U14.J13 U14.K12 U14.L7 U14.L13 U14.M12 U14.N7 U14.N13 U14.P8 U14.P12 U14.R7 U14.R13
+1V2: C21.1 C26.1 C55.1 C57.1 C61.1 C63.1 C66.1 C68.1 C74.1 C75.1 C80.1 C81.1 C90.1 C91.1 L11.2 L12.2 L13.2 L14.2 R10.1 U6.1 U6.2 U12.A9 U12.A10 U12.B8 U12.D2 U12.D3 U12.E3 U12.F12 U12.K4 U12.M9 U12.M10
+1V5: C31.1 C33.1 C34.1 C99.1 C105.1 C113.1 C114.1 C115.1 C117.1 C118.1 C119.1 C121.1 C122.1 C123.1 C124.1 C125.1 C126.1 C127.1 C128.1 C129.1 C130.1 C131.1 C132.1 C133.1 C134.1 C135.1 C136.1 C137.1 L7.2 R14.1 R33.1 R35.1 R37.2 R44.1 TP4.1 U14.A3 U14.D2 U14.E5 U14.G1 U14.H4 U14.L3 U14.P2 U14.R5 U14.U1 U14.V4 U18.A1 U18.A8 U18.B2 U18.C1 U18.C9 U18.D2 U18.D9 U18.E9 U18.F1 U18.G7 U18.H2 U18.H9 U18.K2 U18.K8 U18.N1 U18.N9 U18.R1 U18.R9
+1V8: C17.1 C19.1 C20.1 C25.1 C48.1 C111.1 C112.1 C141.1 CA1.1 CA2.1 CA9.2 CY2.1 CY2.4 J5.1 L5.2 L6.1 R21.1 R39.1 R40.2 R41.2 R42.1 RA9.2 RA12.1 RA17.1 RA21.2 RA22.2 RA23.1 RA25.2 RA26.1 RA27.1 TP2.1 U7.1 U10.15 U10.21 U13.8 U13.11 U13.14 U13.28 U13.30 U13.32 U14.A13 U14.B6 U14.B16 U14.C19 U14.D7 U14.D12 U14.E15 U14.F8 U14.F11 U14.F18 U14.G8 U14.G9 U14.H8 U14.H14 U14.J10 U14.J11 U14.J17 U14.K6 U14.K8 U14.K10 U14.K20 U14.L9 U14.L10 U14.L11 U14.M8 U14.M9 U14.M10 U14.M16 U14.N6 U14.N9 U14.N11 U14.N19 U14.P10 U14.R6 U14.R9 U14.R15 U14.T6 U14.T8 U14.T18 U14.U11 U14.V14 U14.W7 U14.W17 U14.Y10 U14.Y20 U15.8 U16.5
+3.3V: CA7.1 CA8.1 CY1.4 R29.1 U11.5
+3V3: C108.1 C109.1 C110.1 C139.1 C140.1 J13.4 U16.17 U16.21 U17.5
+5VA: C3.1 C4.1 C5.1 C6.1 C8.1 C28.1 C29.1 C36.1 C59.1 CA11.2 D1.1 J3.1 J6.5 L2.1 QA2.3 R2.1 R3.1 RA3.1 RA6.1 RA28.1 RA29.1 TP1.1 U2.5 U3.1 U3.4 U4.4 U7.4 U8.1 U8.4 U9.1 U9.3 U11.1 U13.21 U17.1 U17.3
+5VD: C2.1 D1.2 J1.1 J4.12 QA1.1 QA2.1 RA2.1
+5VP: C1.1 J2.1 QA1.3 RA1.2 U2.1
+15V: C115.2 C116.1 C119.2 C120.1 R44.2 R45.1 U18.H1 U18.M8
+36V: C40.1 C42.1 C44.1 C46.1 C49.1 C51.1 L9.2 TP14.1 U10.3 U10.9 U10.28 U10.36 U10.40
GND: C1.2 C2.2 C3.2 C4.2 C5.2 C6.2 C7.2 C8.2 C9.2 C11.2 C12.2 C13.2 C15.2 C16.2 C17.2 C18.2 C19.2 C20.2 C21.2 C22.2 C23.2 C24.2 C25.2 C26.2 C27.2 C28.2 C29.2 C32.2 C33.2 C34.2 C35.2 C36.2 C37.2 C38.2 C39.2 C40.2 C41.2 C42.2 C43.2 C44.2 C45.2 C46.2 C47.2 C48.2 C49.2 C50.2 C51.2 C52.1 C53.1 C54.2 C55.2 C56.2 C57.2 C58.2 C59.2 C60.2 C61.2 C62.2 C63.2 C64.2 C66.2 C68.2 C69.2 C70.2 C71.2 C73.2 C74.2 C75.2 C76.1 C77.1 C78.1 C79.1 C80.2 C81.2 C90.2 C91.2 C92.2 C93.2 C94.2 C95.2 C96.2 C97.2 C98.2 C100.2 C101.2 C102.2 C103.2 C104.2 C106.2 C107.2 C108.2 C109.2 C110.2 C111.2 C112.2 C113.2 C114.2 C116.2 C117.2 C118.2 C120.2 C121.2 C122.2 C123.2 C124.2 C125.2 C126.2 C127.2 C128.2 C129.2 C130.2 C131.2 C132.2 C133.2 C134.2 C135.2 C136.2 C137.2 C138.2 C139.2 C140.2 C141.2 CA1.2 CA2.2 CA3.2 CA4.2 CA5.2 CA6.2 CA7.2 CA8.2 CA9.1 CA10.1 CA11.1 CY1.2 CY2.2 D2.1 D2.2 H1.1 H2.1 H3.1 H4.1 J1.5 J1.S1 J1.S2 J1.S3 J1.S4 J1.S5 J1.S6 J2.5 J2.S1 J2.S2 J2.S3 J2.S4 J2.S5 J2.S6 J3.2 J4.6 J5.6 J5.10 J6.6 J7.15 J7.16 J8.2 J9.SH1 J9.SH2 J9.SH3 J9.SH4 J10.SH1 J10.SH2 J10.SH3 J10.SH4 J11.SH1 J11.SH2 J11.SH3 J11.SH4 J12.SH1 J12.SH2 J12.SH3 J12.SH4 J13.6 J13.S1 J13.S2 J13.S3 J13.S4 L10.1 Q1.2 Q2.2 Q3.2 Q4.2 QA3.2 R5.2 R7.2 R9.2 R11.2 R13.2 R15.2 R23.1 R25.1 R26.1 R27.2 R29.3 R30.2 R34.2 R36.2 R38.2 R43.2 R45.2 R46.2 R47.2 RA2.2 RA4.2 RA8.2 RA10.2 RA11.2 RA14.2 RA15.2 RA16.2 RA24.1 SW1.4 T1.2 T2.2 T3.2 T4.2 TP5.1 U1.3 U2.2 U3.2 U4.2 U5.4 U5.9 U6.4 U6.9 U7.2 U8.2 U9.2 U10.47 U10.49 U11.2 U12.A4 U12.A5 U12.A6 U12.A12 U12.B1 U12.B2 U12.B12 U12.C1 U12.C2 U12.C4 U12.C7 U12.C8 U12.C9 U12.C10 U12.C11 U12.C12 U12.D1 U12.D12 U12.E1 U12.F1 U12.F3 U12.F7 U12.F9 U12.F11 U12.G1 U12.G10 U12.G12 U12.H1 U12.H2 U12.H3 U12.H5 U12.H6 U12.H7 U12.H9 U12.H10 U12.J1 U12.J2 U12.K1 U12.K2 U12.K12 U12.L1 U12.L2 U12.L3 U12.L7 U12.L8 U12.L9 U12.L10 U12.L11 U12.L12 U12.M4 U12.M5 U12.M6 U13.33 U14.A8 U14.A18 U14.B1 U14.B11 U14.C4 U14.C9 U14.C14 U14.D17 U14.E10 U14.E20 U14.F3 U14.F7 U14.F10 U14.G10 U14.G12 U14.G16 U14.H7 U14.H9 U14.H11 U14.H13 U14.H19 U14.J2 U14.J8 U14.J12 U14.K5 U14.K7 U14.K11 U14.K13 U14.K15 U14.L8 U14.L12 U14.L18 U14.M1 U14.M6 U14.M7 U14.M11 U14.M13 U14.N4 U14.N8 U14.N10 U14.N12 U14.N14 U14.P7 U14.P9 U14.P11 U14.P13 U14.P17 U14.R8 U14.R12 U14.R20 U14.T3 U14.T7 U14.T13 U14.U6 U14.U16 U14.V9 U14.V19 U14.W2 U14.W12 U14.Y5 U14.Y15 U15.4 U15.9 U16.2 U16.11 U16.24 U16.25 U17.2 U18.A9 U18.B1 U18.B3 U18.B9 U18.D1 U18.D8 U18.E1 U18.E2 U18.E8 U18.F9 U18.G1 U18.G8 U18.G9 U18.J2 U18.J8 U18.M1 U18.M9 U18.P1 U18.P9 U18.T1 U18.T9 V1.1 V2.1 V3.1 Y1.2 Y1.4 Y2.2 Y2.4
VCC: C37.1 C38.1 C41.1 C43.1 C45.1 C47.1 C50.1 J7.14 R16.1 R17.1 R18.1 R19.1 R20.1 R22.2 R24.1 TP13.1 U9.5 U10.6 U10.37 U10.38 U10.41 U10.44 U10.45
VDDA1P1_RX_VCO: R32.2 U12.A11 U12.G2
+12L: C23.1 C27.1 C54.1 C56.1 C60.1 C62.1 C64.1 C69.1 C70.1 R8.1 U5.1 U5.2 U12.B9 U12.B10 U12.E2 U12.F2 U12.J3 U12.K3
+VSW: C71.1 L6.2 U12.H12
/AD9361/REFCLK: CA5.1 RA7.1 U13.26 Y2.3
/AD9361/RX1A_N: C85.1 U12.M2
/AD9361/RX1A_P: C89.1 U12.M1
/AD9361/RX2A_N: C83.1 U12.A1
/AD9361/RX2A_P: C87.1 U12.A2
